# Altium PCB RF-BPF.PcbDoc (part 1 of 3) (continued)
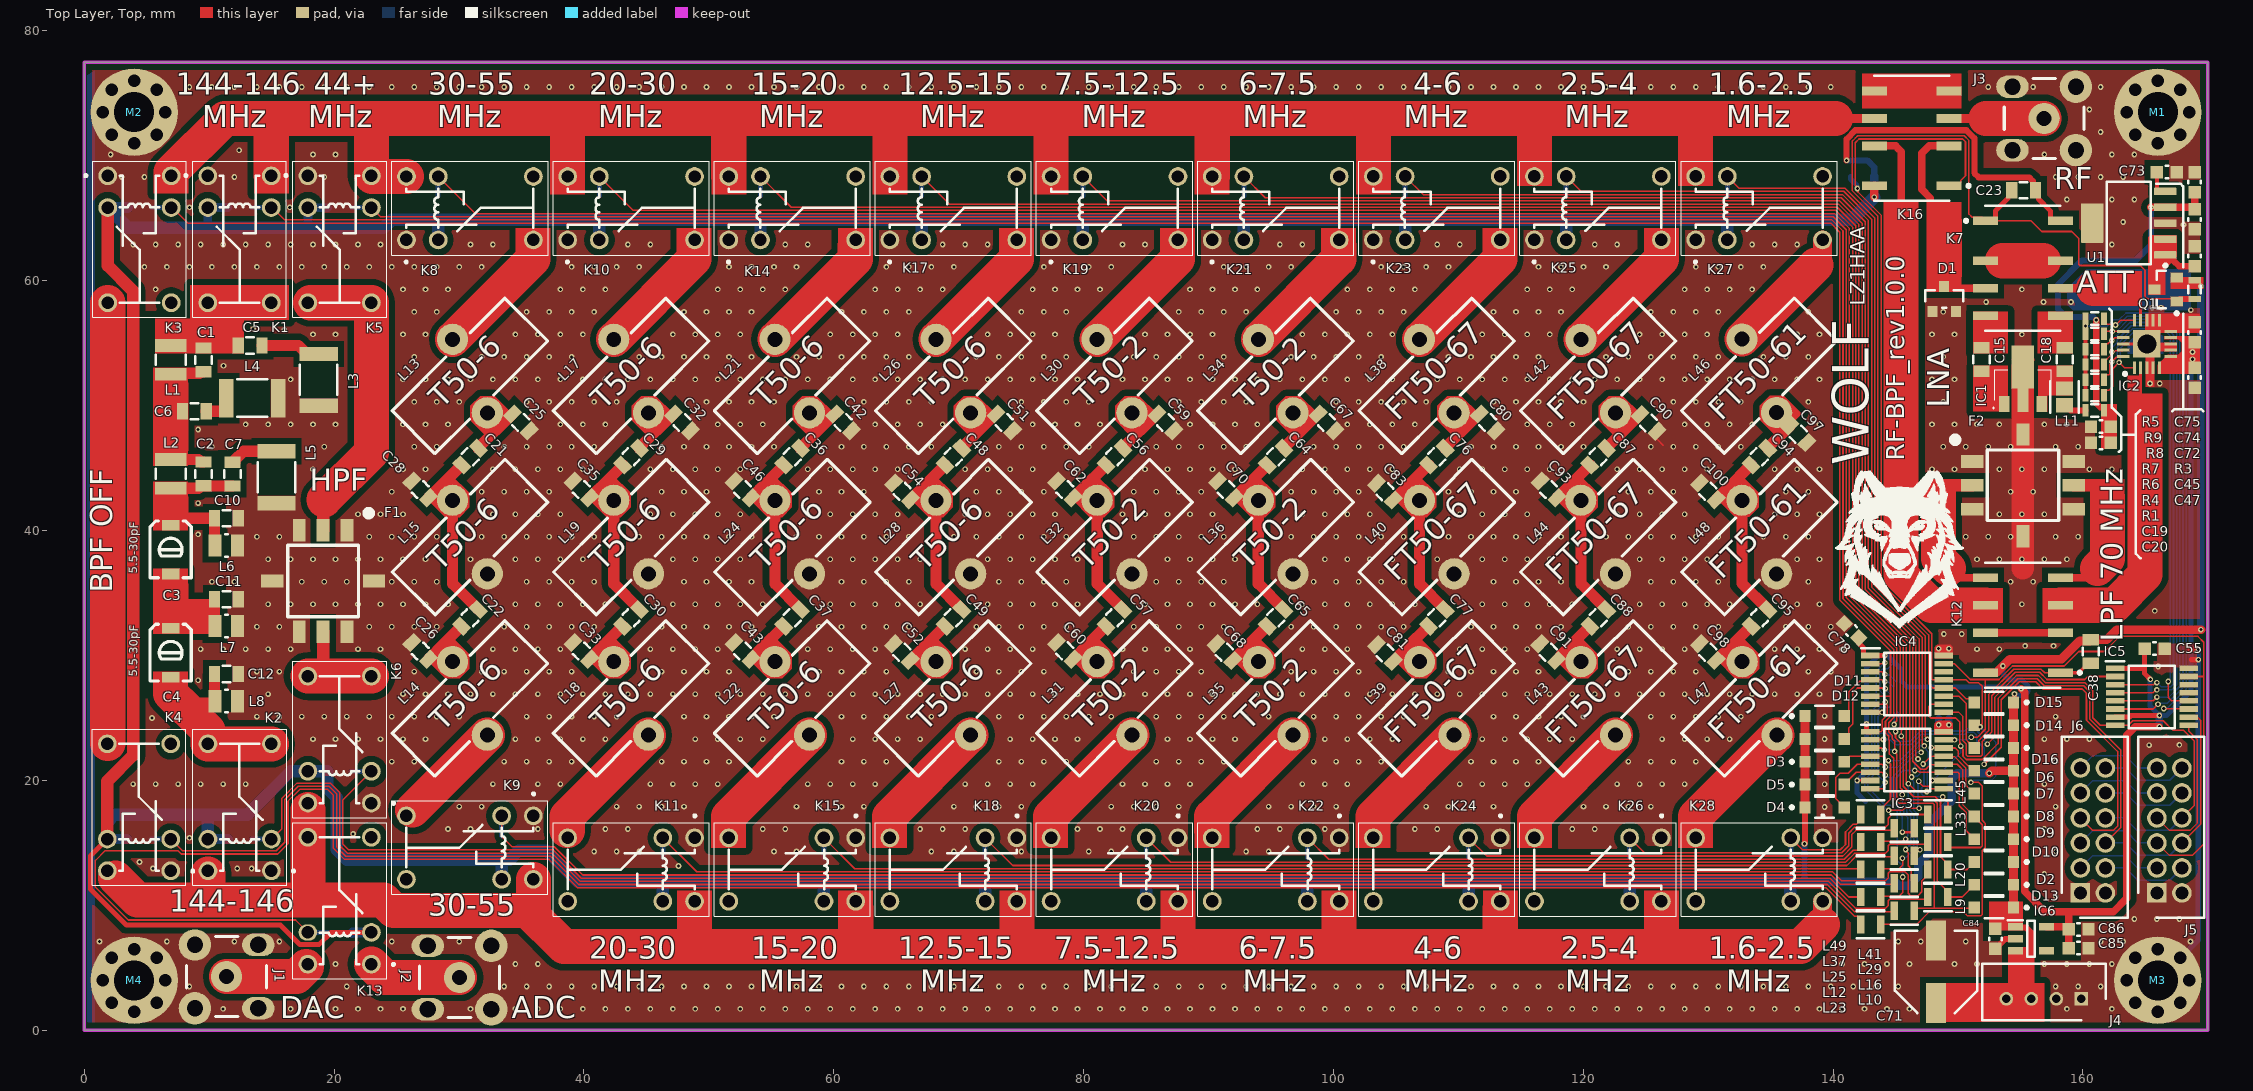
[diagram p0: Top Layer, Top view]
## Components (designator, comment, footprint, x,y, rotation, side; value= is the part's Value field where it differs from the comment) (continued)
L11 "LQM21NNR22K10D" FP-LQM21DN_00-IPC_C 158.525,50.7 r270 top
L12 "CB2012T101K" FP-CB2012-MFG 143,10.675 r180 top
L13 "T50-6" AMIDON_T50_6 30.871,52.385 r45 top
L14 "T50-6" AMIDON_T50_6 30.871,26.575 r45 top
L15 "T50-6" AMIDON_T50_6 30.889,39.48 r225 top
L16 "CB2012T101K" FP-CB2012-MFG 145.7,11.775 r180 top
L17 "T50-6" AMIDON_T50_6 43.771,52.385 r45 top
L18 "T50-6" AMIDON_T50_6 43.771,26.575 r45 top
L19 "T50-6" AMIDON_T50_6 43.789,39.48 r225 top
L20 "CB2012T101K" FP-CB2012-MFG 148.4,12.875 r180 top
L21 "T50-6" AMIDON_T50_6 56.671,52.385 r45 top
L22 "T50-6" AMIDON_T50_6 56.671,26.575 r45 top
L23 "CB2012T101K" FP-CB2012-MFG 143,8.475 r180 top
L24 "T50-6" AMIDON_T50_6 56.689,39.48 r225 top
L25 "CB2012T101K" FP-CB2012-MFG 143,12.875 r180 top
L26 "T50-6" AMIDON_T50_6 69.571,52.385 r45 top
L27 "T50-6" AMIDON_T50_6 69.571,26.575 r45 top
L28 "T50-6" AMIDON_T50_6 69.589,39.48 r225 top
L29 "CB2012T101K" FP-CB2012-MFG 145.7,13.975 r180 top
L30 "T50-2" AMIDON_T50_2 82.471,52.385 r45 top
L31 "T50-2" AMIDON_T50_2 82.471,26.575 r45 top
L32 "T50-2" AMIDON_T50_2 82.489,39.48 r225 top
L33 "CB2012T101K" FP-CB2012-MFG 148.4,15.075 r180 top
L34 "T50-2" AMIDON_T50_2 95.371,52.385 r45 top
L35 "T50-2" AMIDON_T50_2 95.371,26.575 r45 top
L36 "T50-2" AMIDON_T50_2 95.389,39.48 r225 top
L37 "CB2012T101K" FP-CB2012-MFG 143,15.075 r180 top
L38 "FT50-67" AMIDON_FT50_6X 108.271,52.385 r45 top
L39 "FT50-67" AMIDON_FT50_6X 108.271,26.575 r45 top
L40 "FT50-67" AMIDON_FT50_6X 108.289,39.48 r225 top
L41 "CB2012T101K" FP-CB2012-MFG 145.7,16.175 r180 top
L42 "FT50-67" AMIDON_FT50_6X 121.2,52.385 r45 top
L43 "FT50-67" AMIDON_FT50_6X 121.2,26.575 r45 top
L44 "FT50-67" AMIDON_FT50_6X 121.2,39.48 r225 top
L45 "CB2012T101K" FP-CB2012-MFG 148.4,17.275 r180 top
L46 "FT50-61" AMIDON_FT50_6X 134.089,52.403 r45 top
L47 "FT50-61" AMIDON_FT50_6X 134.107,26.575 r45 top
L48 "FT50-61" AMIDON_FT50_6X 134.107,39.48 r225 top
L49 "CB2012T101K" FP-CB2012-MFG 143,17.275 r180 top
M1 "MountHole" MountHole 166,73.5 r270 top locked
M2 "MountHole" MountHole 4,73.5 r270 top locked
M3 "MountHole" MountHole 166,4 r270 top locked
M4 "MountHole" MountHole 4,4 r270 top locked
Q1 "IRLML9301TRPBF" INF-SOT-23-3_V 166.625,59.3 r180 top
R1 "18R" R-0603 160.95,49.625 r0 top
R2 "1k" R-0603 143.114,18.864 r225 bottom
R3 "30k" R-0603 168.95,59.3 r270 top
R4 "1k" R-0603 160.95,50.85 r180 top
R5 "1k" R-0603 160.95,56.975 r180 top
R6 "1k" R-0603 160.95,52.075 r180 top
R7 "1k" R-0603 160.95,53.3 r180 top
R8 "1k" R-0603 160.95,54.525 r180 top
R9 "1k" R-0603 160.95,55.75 r180 top
U1 "TPS79650DCQR" DCQ0006A_L 163.675,64.61 r180 top

## Footprints (in the part's own frame and the unit in brackets; to place one, negate y for a bottom-side part, rotate by r counter-clockwise, add the part's x,y. Pads: shape width x height; smd on the part's side, far side on the other; paste and mask are expansions set on the pad)
3.81X3.43X4.95 [mm]
  rect 1.14x3.05 smd: 1(-2.075,0) 2(2.075,0)
  Top Layer, Top pour cut-out: -1.5,1.525 1.5,1.525 1.5,-1.525 -1.5,-1.525
  silkscreen extent -1.2,-1.5 1.2,1.5, body extent -2.47,-1.91 2.47,1.91, height 3.42
31-5431#1 [mm]
  oval 1.8x2.6 hole 1.3: 1(-2.54,-2.54) 2(2.54,-2.54)
  oval 2.5x2.6 hole 1.3: 3(2.54,2.54)
  round 2.6 hole 1.3: 4(-2.54,2.54)
  round 2.5 hole 1.2: 5(0,0)
  silkscreen extent -3.2,-3.2 3.2,3.2, body extent -3.04,-3.04 3.04,3.04, height 9
31-5431#2 [mm]
  oval 1.8x2.6 hole 1.3: 1(-2.54,-2.54) 2(2.54,-2.54)
  round 2.6 hole 1.3: 3(2.54,2.54) 4(-2.54,2.54)
  round 2.5 hole 1.2: 5(0,0)
  silkscreen extent -3.2,-3.2 3.2,3.2, body extent -3.04,-3.04 3.04,3.04, height 9
AMIDON_FT50_6X [mm]
  round 2.5 hole 1.2: 1(1.1,3.05) 2(-1.1,-3.075)
  silkscreen extent -6.38,-2.42 6.38,2.42, body extent -6.35,-2.41 6.35,2.42, height 12.75
AMIDON_T50_2 [mm]
  round 2.5 hole 1.2: 1(1.1,3.05) 2(-1.1,-3.075)
  silkscreen extent -6.38,-2.42 6.38,2.42, body extent -6.35,-2.41 6.35,2.42, height 12.75
AMIDON_T50_6 [mm]
  round 2.5 hole 1.2: 1(1.1,3.05) 2(-1.1,-3.075)
  silkscreen extent -6.38,-2.42 6.38,2.42, body extent -6.35,-2.41 6.35,2.42, height 12.75
C-0603 [mm] "Surface-Mount Multilayer Chip Capacitor, Body 1.6 x 0.8 mm (L x W)"
  rect 1x1 smd: 1(-0.8,0) 2(0.8,0)
  silkscreen extent -0.1,-0.5 0.1,0.5, body extent -0.8,-0.4 0.8,0.4, height 0.8
C-0805 [mm] "Surface-Mount Multilayer Chip Capacitor, Body 2 x 1.25 mm (L x W)"
  rect 0.9x1.3 smd: 1(-0.95,0) 2(0.95,0)
  Top Layer, Top pour cut-out: -0.5,0.65 0.5,0.65 0.5,-0.65 -0.5,-0.65
  silkscreen extent -0.3,-0.65 0.3,0.65, body extent -1,-0.62 1,0.63, height 0.78
CAP-ADJ-SMD_L4.5-W3.2-L [mm]
  rect 0.85x1.4 smd: 1(1.95,0) 2(-1.95,0)
  Top Layer, Top pour cut-out: -1.525,1.65 1.525,1.65 1.525,-1.65 -1.525,-1.65
  silkscreen extent -2.25,-1.65 2.29,1.65
DCQ0006A_L [mm] "SOT223, 6-Leads, Body 6.55x3.55mm, Pitch 1.27mm, IPC High Density"
  rrect17% 1.8x0.6 smd: 1(-2.925,2.54) 2(-2.925,1.27) 3(-2.925,0) 4(-2.925,-1.27) 5(-2.925,-2.54)
  rrect6% 1.8x3.15 smd: 6(2.925,0)
  silkscreen extent -3.05,-3.3 1.75,3.51, body extent -3.48,-3.25 3.48,3.25, height 1.64
EEE1AA101SP [mm]
  rect 3.2x1.6 smd: 1(-2.5,0) 2(2.5,0)
  silkscreen extent -3.3,-3.3 3.3,3.3, body extent -3.9,-3.4 3.9,3.4, height 5.57
FP-318-08-MFG [mm]
  rect 0.9x0.8 smd paste+0 mask+0: 1(-1,0.95) 2(-1,-0.95) 3(1,0)
  silkscreen extent -0.7,-1.52 0.7,1.52, body extent -1.55,-1.62 1.55,1.62, height 0.25
FP-CB2012-MFG [mm]
  rect 0.6x1.45 smd paste+0 mask+0: 1(-0.8,0) 2(0.8,0)
  silkscreen extent -1.1,-1.12 1.1,1.12, body extent -1.2,-0.82 1.2,0.82, height 0.25
FP-LQM21DN_00-IPC_C [mm]
  rect 1.154x1.356 smd paste+0 mask+0: 1(-0.676,0) 2(0.676,0)
  silkscreen extent -1.25,-1.12 1.25,1.12, body extent -1.35,-0.82 1.35,0.82, height 0.25
FP-SOD123-MFG [mm]
  rect 0.9x0.95 smd paste+0 mask+0: 1(-1.575,0) 2(1.575,0)
  silkscreen extent -2.75,-0.85 0.75,0.85, body extent -2.12,-0.95 2.12,0.95, height 0.25
G5V1DC12#1 [mm]
  round 1.5 hole 1: 1(-5.08,-2.215) 2(-2.54,-2.215) 5(5.08,-2.215) 6(5.08,2.865) 9(-2.54,2.865) 10(-5.08,2.865)
  silkscreen extent -6.25,-4.07 6.25,4.08, body extent -6.15,-3.3 6.15,3.98, height 9.8
G5V1DC12#2 [mm]
  round 1.5 hole 1: 1(-5.08,-2.215) 2(-2.54,-2.215) 5(5.08,-2.215) 6(5.08,2.865) 10(-5.08,2.865)
  oval 1.3x1.5 hole 1: 9(-2.54,2.865)
  silkscreen extent -6.25,-4.07 6.25,4.08, body extent -6.15,-3.3 6.15,3.98, height 9.8
GP731 [mm]
  rect 1.02x1.78 smd: 1(-1.91,-4.065) 2(0,-4.065) 3(1.91,-4.065) 5(1.91,4.065) 6(0,4.065) 7(-1.91,4.065)
  rect 1.78x1.02 smd: 4(4.065,0) 8(-4.065,0)
  silkscreen extent -3.9,-5.67 2.82,2.88, body extent -4.63,-4.63 4.63,4.63, height 2.92
INF-SOT-23-3_V [mm] "SOT23, 3-Leads, Body 3.04x1.4mm, Pitch 0.95mm"
  rect 0.972x0.802 smd: 1(-0.885,0.95) 2(-0.885,-0.95) 3(0.885,0)
  silkscreen extent -1.01,-1.5 0.7,2.03, body extent -1.32,-1.52 1.32,1.52, height 1.12
L-0805 [mm]
  rect 1.02x1.78 smd: 1(-0.9,0) 2(0.9,0)
  Top Layer, Top pour cut-out: -0.4,0.9 0.4,0.9 0.4,-0.9 -0.4,-0.9
  silkscreen extent -0.1,-0.9 0.1,0.9, body extent -1.05,-0.79 1.05,0.79, height 0.88
L-2520 [mm]
  rect 1.02x2.54 smd: 1(-1.15,0) 2(1.15,0)
  Top Layer, Top pour cut-out: -0.65,1.275 0.65,1.275 0.65,-1.275 -0.65,-1.275
  silkscreen extent -0.4,-1.2 0.4,1.2, body extent -1.46,-1.4 1.46,1.4, height 2.02
MountHole [mm]
  round 1 hole 1: 1(-2.5,0) 1(-1.8,1.8) 1(-1.8,-1.8) 1(0,2.5) 1(0,-2.5) 1(1.8,1.8) 1(1.8,-1.8) 1(2.5,0)
  round 7 hole 3.2: 1(0,0)
QFN50P400X400X90-21N-D [mm]
  rect 1x0.25 smd: 1(-1.9,1) 2(-1.9,0.5) 3(-1.9,0) 4(-1.9,-0.5) 5(-1.9,-1) 11(1.9,-1) 12(1.9,-0.5) 13(1.9,0) 14(1.9,0.5) 15(1.9,1)
  rect 0.25x1 smd: 6(-1,-1.9) 7(-0.5,-1.9) 8(0,-1.9) 9(0.5,-1.9) 10(1,-1.9) 16(1,1.9) 17(0.5,1.9) 18(0,1.9) 19(-0.5,1.9) 20(-1,1.9)
  rect 2.2x2.2 smd: 21(0,0)
  silkscreen extent -2.52,1.62 -2.28,1.87, body extent -2.05,-2.05 2.05,2.05, height 0.9
R-0603 [mm] "Thin Film, Rectangular Resisitor Chip, Body 1.6 x 0.9 mm (L x W)"
  rect 0.5x1 smd: 1(-0.75,0) 2(0.75,0)
  Top Layer, Top pour cut-out: -0.5,0.5 0.5,0.5 0.5,-0.5 -0.5,-0.5
  silkscreen extent -0.3,-0.5 0.3,0.5, body extent -0.8,-0.4 0.8,0.4, height 0.45
SHDR4W50P0X200_1X4_990X450X600P [mm]
  rect 1.1x1.1 hole 0.7: 1(0,0)
  round 1.1 hole 0.7: 2(-2,0) 3(-4,0) 4(-6,0)
  silkscreen extent -7.95,-1.7 1.95,2.8, body extent -7.95,-2.25 1.95,2.25, height 6
SHDR12W60P200_2X6_1400X500X690P [mm]
  rect 1.575x1.575 hole 1.05: 1(0,0)
  round 1.575 hole 1.05: 2(0,2) 3(-2,0) 4(-2,2) 5(-4,0) 6(-4,2) 7(-6,0) 8(-6,2) 9(-8,0) 10(-8,2) 11(-10,0) 12(-10,2)
  silkscreen extent -12.5,-1.5 2,3.8, body extent -12,-1.5 2,3.5, height 6.9
SOP65P640X120-16N [mm]
  rect 1.48x0.45 smd: 1(-2.935,2.275) 2(-2.935,1.625) 3(-2.935,0.975) 4(-2.935,0.325) 5(-2.935,-0.325) 6(-2.935,-0.975) 7(-2.935,-1.625) 8(-2.935,-2.275) 9(2.935,-2.275) 10(2.935,-1.625) 11(2.935,-0.975) 12(2.935,-0.325) 13(2.935,0.325) 14(2.935,0.975) 15(2.935,1.625) 16(2.935,2.275)
  silkscreen extent -3.67,-2.5 1.85,2.85, body extent -3.2,-2.5 3.2,2.5, height 1.2
SOT95P280X145-5N [mm]
  rect 1.2x0.6 smd: 1(-1.25,0.95) 2(-1.25,0) 3(-1.25,-0.95) 4(1.25,-0.95) 5(1.25,0.95)
  silkscreen extent -1.85,-1.45 0.3,1.5, body extent -1.4,-1.45 1.4,1.45, height 1.2
SPF5189Z [mm]
  rect 0.86x1.27 smd: 1(-1.5,-1.478) 3(1.5,-1.478)
  rect 0.86x1.85 smd: 2(0,-1.188)
  rect 1.8x3.48 smd: 4(0,1.477)
  silkscreen extent -2.4,-1.85 2.25,1.25, body extent -2.25,-1.25 2.25,1.25, height 1.6
TECO-2-1462037-3_V [mm] "SMT, 8-Leads, Body 10x6mm"
  rect 0.7x2 smd: 1(-3.8,-3) 2(-0.6,-3) 3(1.6,-3) 4(3.8,-3) 5(3.8,3) 6(1.6,3) 7(-0.6,3) 8(-3.8,3)
  silkscreen extent -5,-4.67 5,3, body extent -5,-3 5,3, height 5.65

## Part data
C1 C2 C3 C4 C5 C6 C7 C8 C9 C10 C11 C12 C13 C14 C15 C16 C17 C18 C19 C20 C21 C22 C23 C24 C25 C26 C27 C28 C29 C30 C31 C32 C33 C34 C35 C36 C37 C38 C39 C40 C41 C42 C43 C44 C45 C46 C47 C48 C49 C50 C51 C52 C53 C54 C55 C56 C57 C58 C59 C60 C61 C62 C63 C64 C65 C66 C67 C68 C69 C70 C72 C73 C74 C75 C76 C77 C78 C79 C80 C81 C82 C83 C84 C85 C86 C87 C88 C89 C90 C91 C92 C93 C94 C95 C96 C97 C98 C99 C100: library part "C semi", "Ceramic Multilayer Capacitor", Manufacturer=Yageo/Phycomp, Manufacturer P/N=CC0603JRNPO9BN102, Tolerance=±10%, numsch=011, Parameters="1nF, NP0, 50V, ±5%", TypeNum=155
C71: "Capacitor Polarised", Manufacturer_Name=Panasonic, Datasheet Link=http://industrial.panasonic.com/cdbs/www-data/pdf/RDE0000/ABA0000C1145.pdf, Height=7.8mm, Manufacturer_Part_Number=EEE1EA220SP
D1: library part CMP-07163-000036-1, "DIODE ARRAY 100V 215MA SOT23-3", Capacitance=1.5pF, Case/Package=SOT-23, Current Rating=200mA, Forward Current=150mA, Forward Voltage=1.25V, Max Forward Surge Current (Ifsm)=500mA, Max Operating Temperature=150°C, Max Repetitive Reverse Voltage (Vrrm)=70V, Min Operating Temperature=-65°C, Peak Non-Repetitive Surge Current=2A, Peak Reverse Current=2.5uA, Height=0.94mm, Lead Free="Lead Free", Length=2.9mm, Mount="Surface Mount", Number of Pins=3, Packaging="Tape and Reel", REACH SVHC="No SVHC", Reverse Recovery Time=6ns, Voltage Rating (DC)=70V, Width=1.3mm
D2 D3 D4 D5 D6 D7 D8 D9 D10 D11 D12 D13 D14 D15 D16: library part CMP-12791-000005-1, "DIODE GEN PURP 100V 150MA SOD123", Capacitance=2pF, Forward Current=300mA, Manufacturer="Diodes Inc.", Max Junction Temp=+150°C, Max Repetitive Reverse Voltage=100V, Max Surge Forward Current=1A, Package=SOD123, Peak Reverse Current=1uA, Temperature="-65°C to +150°C", Temperature Range Low=-65°C, Automotive=No, Category=Diode, ComponentLink2Description=Datasheet, ComponentLink2URL=https://upverter.com/datasheet/628e7d6fee5901eee6eef4567d1c3569f2cd3cde.pdf, Device Class L1="Discrete Semiconductors", Device Class L2=Diodes, Device Class L3="Rectifier Diodes", Digikey Description="DIODE GEN PURP 100V 150MA SOD123", Footprint Url=https://www.diodes.com/assets/Package-Files/SOD123.pdf, Height=1.45mm, Lead Free=Yes, Manufacturer Part Number=1N4148W-13-F, Mouser Description="1N4148W Series 2 A 100 V 400 mW Surface Mount Fast Switching Diode - SOD-123", Octopart=https://octopart.com/1n4148w-13-f-diodes+inc.-2359612, Reverse Voltage=100V, RoHS=TRUE, Standoff Height=0mm, Temperature Range High=+150°C
IC1: library part SPF5189Z, "Integrated Circuit", Manufacturer_Name=RFMD, Datasheet Link=https://componentsearchengine.com/Datasheets/2/SPF5189Z.pdf, Height=1.5mm, Manufacturer_Part_Number=SPF5189Z
IC2: "Integrated Circuit", Manufacturer_Name="Peregrine Semiconductor", Datasheet Link=https://www.psemi.com/pdf/datasheets/pe4312ds.pdf, Height=0.9mm, Manufacturer_Part_Number=PE4312C-Z
IC3 IC4 IC5: "Integrated Circuit", Manufacturer_Name=STMicroelectronics, Mouser Part Number=511-STPIC6C595T, Arrow Part Number=STPIC6C595TTR, Arrow Price/Stock=https://www.arrow.com/en/products/stpic6c595ttr/stmicroelectronics?region=nac, Datasheet Link=http://www.st.com/st-web-ui/static/active/en/resource/technical/document/datasheet/CD00020664.pdf, Height=1.2mm, Manufacturer_Part_Number=STPIC6C595TTR, Mouser Price/Stock=https://www.mouser.co.uk/ProductDetail/STMicroelectronics/STPIC6C595TTR?qs=Pgvhs884FskRYYZkj3y%2FSg%3D%3D
IC6: "Integrated Circuit", Manufacturer_Name="Texas Instruments", Mouser Part Number=595-TPS70933DBVR, Arrow Part Number=TPS70933DBVR, Arrow Price/Stock=https://www.arrow.com/en/products/tps70933dbvr/texas-instruments?region=nac, Datasheet Link=http://www.ti.com/lit/gpn/tps709, Height=1.45mm, Manufacturer_Part_Number=TPS70933DBVR, Mouser Price/Stock=https://www.mouser.co.uk/ProductDetail/Texas-Instruments/TPS70933DBVR?qs=Z9twEOuL%252B%2FJOaGO60BtvLA%3D%3D
J1 J2 J3: library part 31-5431, "SMA"
J4: "Connector", Arrow Part Number=B4B-PH-K-S(LF)(SN), Manufacturer_Name="JST (JAPAN SOLDERLESS TERMINALS)", Arrow Price/Stock=https://www.arrow.com/en/products/b4b-ph-k-s-lf-sn/jst-manufacturing, Datasheet Link=https://datasheet.lcsc.com/szlcsc/JST-Sales-America-B4B-PH-K-S-LF-SN_C131334.pdf, Height=6mm, Manufacturer_Part_Number=B4B-PH-K-S(LF)(SN)
J5 J6: "Connector", Arrow Part Number=DF11-12DP-2DSA(24), Manufacturer_Name=Hirose, Mouser Part Number=798-DF11-12DP-2DSA24, Arrow Price/Stock=https://www.arrow.com/en/products/df11-12dp-2dsa-24/hirose-electric, Datasheet Link=https://datasheet.datasheetarchive.com/originals/distributors/SFDatasheet-7/sf-000141225.pdf, Height=6.9mm, Manufacturer_Part_Number=DF11-12DP-2DSA(24), Mouser Price/Stock=https://www.mouser.co.uk/ProductDetail/Hirose-Connector/DF11-12DP-2DSA24?qs=zOgoZG1CgI9hGIQfeQgy6Q%3D%3D
K1 K2 K3 K4 K5 K6 K8 K9 K10 K11 K13 K14 K15 K17 K18 K19 K20 K21 K22 K23 K24 K25 K26 K27 K28: "Relay or Contactor", Manufacturer_Name="Omron Electronics", Mouser Part Number=653-G5V-1-DC12, Arrow Part Number=G5V-1-DC12, Arrow Price/Stock=https://www.arrow.com/en/products/g5v-1-dc12/omron?region=nac, Datasheet Link=https://componentsearchengine.com/Datasheets/1/G5V-1-DC12.pdf, Height=10mm, Manufacturer_Part_Number=G5V-1-DC12, Mouser Price/Stock=https://www.mouser.co.uk/ProductDetail/Omron-Electronics/G5V-1-DC12?qs=nNiD76Ca0%252BuMuQOpoevaxA%3D%3D
K7 K12 K16: library part CMP-2000-05409-1, "Signal Relay, 2 A, 12 VDC, -40 to 85 degC, 8-Pin SMD, RoHS, Tape and Reel", Coil Current=11.67mA, Coil Resistance=1.029kohm, Coil Voltage DC=12V, Contact Current Rating=2A, Dropout Volt=1.2VDC, Manufacturer="TE Connectivity", Maximum Power Rating=60W/62.5VA, Operating Temp Range=-40Cto85C, Pick-up Voltage (Max)=9VDC, Voltage Rating (VAC)=250V, Voltage Rating (VDC)=220, Coil Suppression Diode=No, Contact Arrangement=DPDT, Contact Form=2FormC, Contact Material=PalladiumRuthenium/Gold, Datasheet URL=http://www.te.com/commerce/DocumentDelivery/DDEController?Action=srchrtrv&DocNm=108-98001&DocType=SS&DocLang=EN, Datasheet Version="Rev. 0116, 01/2016", LED Indicator=No, Manufacturer URL=http://www.te.com/, Mounting Style=SurfaceMount, Operate Time=1ms, Packaging=TapeandReel, Pin Count=8, Product Depth (mm)=7.5mm, Product Height (mm)=5.65mm, Product Length (mm)=10mm, Push To Test Button=No, Relay Construction=Non-Latching, Seal=Unsealed, Termination Style=GullWing, Type=SignalRelay
L9 L10 L12 L16 L20 L23 L25 L29 L33 L37 L41 L45 L49: library part CMP-14484-000220-1, "SMD Inductors 100uH ±10% 0.13A 9.1Ω 0805", Case Code (Imperial)=0805, Case Code (Metric)=2012, Current Rating=130mA, DC Resistance (DCR)=9.1R, Inductance=100uH, Inductance Tolerance=10%, Max Operating Temperature=105°C, Min Operating Temperature=-40°C, Package Quantity=3000, Resistor Type=Wirewound, Saturation Current=60mA, Self Resonant Frequency=8MHz, Test Frequency=796kHz, Case/Package=0805, Core Material=Ferrite, Depth=1.45mm, Halogen Free="Halogen Free", Height=0.9mm, Height - Seated (Max)=0.057inch, Lead Free="Lead Free", Length=0.079inch, Max DC Current=130mA, Mount="Surface Mount", Number of Pins=2, Packaging="Tape and Reel", Radiation Hardening=No, RoHS Compliant=Yes, Series=CB, Shielding=Unshielded, Termination=SMD/SMT, Tolerance=10%, Width=0.049inch
L11: library part CMP-06042-016438-1, "Multilayer Type Inductor for General Circuits, 0805 (2012), 0.22μH, 10%, 0.38Ω, 250mA", Case Code (Imperial)=0805, Case Code (Metric)=2012, Current Rating=250mA, DC Resistance (DCR)=380mR, Inductance=220nH, Inductance Tolerance=10%, Max Operating Temperature=85°C, Min Operating Temperature=-40°C, Package Quantity=4000, Self Resonant Frequency=220MHz, Test Frequency=25MHz, Case/Package=0805, Core Material=Ferrite, DC Current=250mA, Depth=1.45mm, Height=0.85mm, Height - Seated (Max)=0.041inch, Lead Free="Lead Free", Length=2mm, Max DC Current=250mA, Military Standard=Not, Mount="Surface Mount", Number of Pins=2, Packaging="Tape and Reel", Q Factor=20, Radiation Hardening=No, Rated Current-Max=250mA, REACH SVHC="No SVHC", RoHS Compliant=Yes, Series=LQM21N, Shielding=Shielded, Termination=SMD/SMT, Tolerance=10%, Width=1.25mm
L13 L14 L15 L17 L18 L19 L21 L22 L24 L26 L27 L28 L30 L31 L32 L34 L35 L36 L38 L39 L40 L42 L43 L44 L46 L47 L48: library part Amidon
Q1: library part CMP-2000-06487-1, "HEXFET(R) Power MOSFET, 3.6 A, 30 V, -55 to 150 degC, 3-Pin SOT-23, RoHS, Tape and Reel", Current - Continuous Drain (Id) @ 25°C=3.6A(Ta), Drain to Source Voltage (Vdss)=30V, Input Capacitance (Ciss) @ Vds=388pF@25V, Manufacturer=InfineonTechnologies, Operating Temperature=-55°C~150°C(TJ), Package / Case=TO-236-3,SC-59,SOT-23-3, Package Description="3-Pin Small Outline Transistor, Body 2.92 x 1.3 mm, Pitch 0.95 mm", Package Reference=SOT-23-3, Power - Max=1.3W, Supplier Device Package=Micro3™/SOT-23, Category=DiscreteSemiconductorProducts, Datasheet URL=http://www.infineon.com/dgdl/irlml9301pbf.pdf?fileId=5546d462533600a401535668e5e42640, Datasheet Version=02/2012, Family=Transistors-FETs,MOSFETs-Single, FET Feature=Standard, FET Type=MOSFETP-Channel,MetalOxide, Gate Charge (Qg) @ Vgs=4.8nC@4.5V, Manufacturer URL=http://www.infineon.com/, Mounting Technology=SurfaceMount, Mounting Type=SurfaceMount, Packaging=Tape&Reel(TR), Part Status=Active, Rds On (Max) @ Id, Vgs=64mOhm@3.6A,10V, Series=HEXFET®, Vgs(th) (Max) @ Id=2.4V@10µA
R1 R2 R3 R4 R5 R6 R7 R8 R9: library part "RES semi", "Chip Resistor", Manufacturer=Yageo/Phycomp, Manufacturer P/N=RC0603FR-0749R9L, numsch=021, Parameters="49.9R, RC, 0.1W, ±1%, TCR ±100ppm", TypeNum=212
U1: library part CMP-0395-00332-2, "Single Output High PSRR LDO, 1 A, Fixed 5 V Output, 2.7 to 5.5 V Input, 6-pin SOT-223 (DCQ), -40 to 125 degC, Green (RoHS & no Sb/Br)", Manufacturer="Texas Instruments", Accuracy(%)=2, ComponentLink1Description="Manufacturer URL", ComponentLink1URL=http://www.ti.com/, ComponentLink2Description=Datasheet, ComponentLink2URL=http://www.ti.com/general/docs/lit/getliterature.tsp?genericPartNumber=TPS79650&fileType=pdf, ComponentLink3Description="Package Specification", ComponentLink3URL=http://www.ti.com/litv/pdf/mpds098c, DatasheetVersion=SLVS351N, Eco-Plan="Green (RoHS & no Sb/Br)", Fixed Output Options(V)=5, Iout(Max)(A)=1, Iq(Typ)(mA)=0.26, Mounting Technology="Surface Mount", PackageDescription="6-Pin Plastic Small Outline, Body 3.5 x 6.5 mm, Pitch 1.27 mm", PackageReference=DCQ0006A, PackageVersion=4202109/D, PartNumber=TPS79650DCQR, SubFamily="Single Channel LDO", Vdo(Typ)(mV)=200, Vin(Max)(V)=5.5, Vin(Min)(V)=2.7, Vout Adj(Max)(V)=5, Vout Adj(Min)(V)=5

## Free pads (board coordinates)
  round 1.5 hole 1.5: ""(165.125,54.95)

## Via types
v1: diameter 0.45, hole 0.25, Top Layer, Top to Bottom Layer, Bottom, tented both sides, 1611 vias

## Nets (pads, with @x,y where several pads share a name; then routed paths per layer and width w, separated by ;. In a path a pad name is that pad's centre, name@x,y a point inside that pad or via, vN(x,y) a via of type N, cw(c..) or ccw(c..) an arc to the next point about the centre after c; other vN are vias at no path point)
+3.3V: C45.1 C47.1 C55.1 C63.1 C78.1 C85.2 C86.2 IC2.5 IC2.6 IC2.9 IC3.1 IC3.7 IC4.1 IC4.7 IC5.1 IC5.7 IC6.5 R2.2 R4.2 R5.2 R6.2 R7.2 R8.2 R9.2 | length 149.7
  Top Layer, Top w0.127: IC4.1@142.475,29.979 142.969,29.979 IC4.1@142.99,30 ; IC3.1@142.99,23.9 142.993,23.903 143.846,23.903 143.942,23.999 143.942,24.842 144.341,25.241 144.341,26.045 v1@144.176,26.209 ; IC4.7@142.99,26.1 143.941,26.1 144.05,26.209 v1@144.176,26.209 ; v1(144.176,26.281) v1@144.176,26.209
  Top Layer, Top w0.2: v1(141.925,20) IC3.7@142.99,20
  Top Layer, Top w0.254: IC2.6@167.025,53.95 168.65,53.95
  Top Layer, Top w0.3: R4.2@160.2,50.85 R6.2@160.2,52.075 R7.2@160.2,53.3 R8.2@160.2,54.525 R9.2@160.2,55.75 v1(160.2,56.375) R5.2@160.2,56.975 R5.2@160.2,57.225
  Top Layer, Top w0.4: C78.1@142.041,31.434 142.041,31.01 142.45,30.601 142.45,30.025 142.475,30 IC4.1@142.99,30 v1(144.15,30) ; v1(142.676,24.525) 142.676,23.925 142.702,23.9 IC3.1@142.99,23.9 ; IC5.7@162.59,25.075 163.729,25.075 163.86,25.206 v1(166.125,25.206) ; IC5.1@162.59,28.975 164.95,28.975 ; C55.1@164.95,30.55 164.95,28.975 ; v1(165.406,28.091) 164.95,28.547 164.95,28.975
  Top Layer, Top w0.6: v1(155.053,27.354) 155.327,27.08 155.327,11.123 156.95,9.5 158.85,9.5 ; IC6.5@157.1,8.275 158.65,8.275 C86.2@158.85,8.075 ; C85.2@158.85,6.575 C86.2@158.85,8.075 ; v1(166.125,24.3) 164.2,24.3 163.523,23.623 163.523,10.573 162.45,9.5 158.85,9.5 ; C86.2@158.85,8.075 158.85,9.5
  Bottom Layer, Bottom w0.127: v1(144.15,30) 144.16,29.99 144.179,29.971 144.383,29.971 144.454,29.971 144.575,29.85 144.575,29.779 ; v1(144.176,26.281) 144.176,26.761 143.727,27.21 143.727,28.675 144.002,28.95 144.375,28.95 144.889,29.464 ; v1(160.2,56.375) 161.941,56.375 162.443,56.878 162.9,56.878 163.446,57.424 167.306,57.424 168.524,56.206 168.524,54.637 168.775,54.386 v1(168.775,54.3)
  Bottom Layer, Bottom w0.4: R2.2@142.584,18.334 141.925,18.993 v1(141.925,20) 142.676,20.752 v1(142.676,24.525) 142.676,29.044 143.623,29.99 144.14,29.99 v1(144.15,30) ; v1@144.16,29.99 144.363,29.99 144.383,29.971 144.575,29.779 144.889,29.464 145.49,28.863 145.49,27.935 145.925,27.5 154.893,27.5 155.039,27.354 v1(155.053,27.354) ; v1(165.406,28.091) 165.406,28.077 165.373,28.044 165.373,25.958 v1(166.125,25.206) 166.706,25.206 168.66,27.16 168.66,53.597 168.775,53.711 v1(168.775,53.725) v1(168.775,54.3)
  Bottom Layer, Bottom w0.6: v1(166.125,24.3) v1(166.125,25.206)
+5V: C19.2 C20.2 C74.2 C75.2 R1.2 U1.4 | length 32.5
  Top Layer, Top w0.5: v1(161.072,56.865) 161.072,50.195 161.392,49.875 161.7,49.875 161.7,48.875 C19.2@162.25,48.325 C20.2@162.25,47.025
  Top Layer, Top w0.6: v1(165.45,65.875) 165.455,65.88 168.039,65.88 168.044,65.875 168.8,65.875 C74.2@168.95,65.725 ; C74.2@168.9,65.875 168.95,65.925 C75.2@168.95,67.1
  Bottom Layer, Bottom w0.5: v1(161.072,56.865) 160.837,57.1 158.65,57.1 158,57.75 158,59.7 159.925,61.625 164.212,61.625 165.45,62.863 v1(165.45,65.875)
+12V: C8.2 C9.2 C13.2 C14.2 C16.2 C17.2 C23.2 C24.2 C27.2 C31.2 C34.2 C38.2 C39.2 C40.2 C41.2 C44.2 C50.2 C53.2 C58.2 C61.2 C66.2 C69.2 C71.1 C79.2 C82.2 C84.2 C89.2 C92.2 C96.2 C99.2 D2.1 D3.1 D4.1 D5.1 D6.1 D7.1 D8.1 D9.1 D10.1 D11.1 D12.1 D13.1 D14.1 D15.1 D16.1 IC6.1 IC6.3 J4.3 J4.4 K1.2 K2.9 K3.2 K4.9 K5.2 K6.9 K7.8 K8.2 K9.9 K10.2 K11.9 K12.8 K13.2 K14.2 K15.9 K16.8 K17.2 K18.9 K19.2 K20.9 K21.2 K22.9 K23.2 K24.9 K25.2 K26.9 K27.2 K28.9 Q1.2 R3.1 | length 560.2
  Top Layer, Top w0.4: K4.9@1.85,15.31 0.51,13.969 0.51,11.299 3.372,8.437 15.7,8.437 17.279,6.858 18.783,6.858 19.76,7.835 K13.2@22.99,7.835 ; D15.1@154.45,26.25 154.515,26.315 154.515,26.922 v1(154.525,26.932) ; C23.2@156.2,67.25 156.45,67 156.45,66.55 157.4,65.6 157.4,64.95 157.55,64.8 K7.8@158.2,64.8
  Top Layer, Top w0.5: v1(137.711,14.936) 137.75,14.975 D4.1@137.75,17.85 ; v1(141.085,69.641) 141.085,71.344 141.785,72.044 150.678,72.044 151.315,71.407 151.315,68.625 151.663,68.277 155.707,68.277 156,67.984 156,67.45 C23.2@156.2,67.25 ; IC6.1@154.6,8.275 154.65,8.225 155.46,8.225 155.875,7.81 J4.3@155.875,2.525 ; Q1.2@167.51,60.25 167.595,60.25 167.795,60.05 R3.1@168.95,60.05
  Top Layer, Top w0.7: D11.1@137.7,25.125 D11.1@137.7,25.15 ; D4.1@137.75,17.85 D5.1@137.75,19.675 D3.1@137.75,21.5 D12.1@137.75,23.325 D11.1@137.75,25.15 ; v1(143.3,66.7) K16.8@143.3,67.6 ; K12.8@152.2,28.625 153.061,28.625 154.142,29.706 158.279,29.706 159.748,31.175 160.525,31.175 C38.2@160.625,31.275 161.908,31.275 162.708,32.075 v1(169.45,32.075) ; v1(152.5,20.575) 152.7,20.775 D6.1@154.45,20.775 ; D13.1@154.45,9.825 D2.1@154.45,11.65 D6.1@154.45,20.775 ; D15.1@154.45,26.25 D6.1@154.45,20.775
  Top Layer, Top w1: K4.9@1.85,15.31 1.85,19.95 3.919,22.019 3.919,59.181 1.885,61.215 K3.2@1.885,65.865
  Bottom Layer, Bottom w0.4: v1(153.6,29.164) 153.61,29.155 153.61,28.542 154.125,28.027 155.16,28.027 155.605,27.582 155.605,27.125 155.282,26.802 154.669,26.802 154.539,26.932 v1(154.525,26.932)
  Bottom Layer, Bottom w0.5: C99.2@136.575,11.9 C99.2@136.6,11.9 C99.2@136.8,11.9 ; 137.711,11.9 v1(137.711,14.936) ; v1(141.085,69.641) 142.759,69.641 143.3,69.1 C40.2@143.3,68.35
  Bottom Layer, Bottom w0.6: v1(169.45,32.075) v1(169.45,59.575)
  Bottom Layer, Bottom w0.7: 9.875,64.25 9.898,64.273 K1.2@9.898,65.865 9.902,65.87 11.47,65.87 C8.2@11.475,65.875 ; 17.9,64.25 17.91,64.26 K5.2@17.91,65.865 17.918,65.857 19.493,65.857 C16.2@19.5,65.85 ; C99.2@136.8,11.9 137.711,11.9 144.957,11.9 145.284,11.573 146.088,11.573 146.825,12.31 146.825,13.3 147.675,14.15 147.675,16.55 149.5,18.375 149.5,20.165 149.91,20.575 v1(152.5,20.575) ; v1(143.3,66.7) C40.2@143.3,68.35
  Bottom Layer, Bottom w0.8: K4.9@1.855,15.305 C14.2@3.445,15.305 ; K2.9@9.915,15.305 C9.2@11.495,15.305 ; C39.2@21.45,7.8 21.468,7.818 22.972,7.818 K13.2@22.99,7.835
  Bottom Layer, Bottom w0.9: K3.2@1.885,65.865 C13.2@3.475,65.865
  Bottom Layer, Bottom w1: K4.9@1.855,15.305 K4.9@1.85,15.31 1.85,16.689 2.436,17.275 9.9,17.275 ; K3.2@1.885,65.865 3.5,64.25 9.875,64.25 17.9,64.25 24,64.25 24.625,64.875 C24.2@28.34,64.875 ; K2.9@9.915,15.305 K2.9@9.91,15.31 9.91,17.265 9.9,17.275 ; C17.2@19.465,20.735 K6.9@17.91,20.735 16.535,20.735 13.075,17.275 9.9,17.275 ; C17.2@19.475,20.725 19.475,19.375 20.213,18.637 20.213,14.462 21.025,13.65 C27.2@33.425,13.65 33.42,13.645 33.42,12.09 K9.9@33.415,12.085 K9.9@33.55,12.085 ; K8.2@28.34,63.27 C24.2@28.34,64.875 ; C27.2@33.575,13.65 34.05,13.65 34.775,14.375 37.025,14.375 39.5,11.9 C34.2@46.32,11.9 ; K10.2@41.24,63.27 C31.2@41.24,64.875 ; K11.9@46.32,10.324 C34.2@46.32,11.9 ; K14.2@54.14,63.27 C41.2@54.14,64.875 ; K15.9@59.22,10.324 C44.2@59.22,11.9 ; K17.2@67.04,63.27 C50.2@67.04,64.875 ; K18.9@72.12,10.324 C53.2@72.12,11.9 ; K19.2@79.94,63.27 C58.2@79.94,64.875 ; K20.9@85.02,10.324 C61.2@85.02,11.9 ; K21.2@92.84,63.27 C66.2@92.84,64.875 ; K22.9@97.92,10.324 C69.2@97.92,11.9 ; K23.2@105.74,63.274 C79.2@105.74,64.875 ; K24.9@110.82,10.324 C82.2@110.82,11.9 ; K25.2@118.635,63.274 C89.2@118.635,64.875 ; K26.9@123.72,10.324 C92.2@123.72,11.9 ; K27.2@131.54,63.274 131.532,63.282 131.532,64.868 C96.2@131.525,64.875 ; K28.9@136.62,10.324 136.575,10.369 136.575,11.9 C92.2@123.72,11.9 ; v1(143.3,66.7) 141.475,64.875 C96.2@131.525,64.875 ; C24.2@28.34,64.875 C31.2@41.24,64.875 ; C31.2@41.24,64.875 C41.2@54.14,64.875 ; C34.2@46.32,11.9 C44.2@59.22,11.9 ; C41.2@54.14,64.875 C50.2@67.04,64.875 ; C44.2@59.22,11.9 C53.2@72.12,11.9 ; C50.2@67.04,64.875 C58.2@79.94,64.875 ; C53.2@72.12,11.9 C61.2@85.02,11.9 ; C58.2@79.94,64.875 C66.2@92.84,64.875 ; C61.2@85.02,11.9 C69.2@97.92,11.9 ; C66.2@92.84,64.875 C79.2@105.74,64.875 ; C69.2@97.92,11.9 C82.2@110.82,11.9 ; C79.2@105.74,64.875 C89.2@118.635,64.875 ; C82.2@110.82,11.9 C92.2@123.72,11.9 ; C89.2@118.635,64.875 C96.2@131.525,64.875
  Bottom Layer, Bottom w1.1: J4.4@153.875,2.525 J4.3@155.875,2.525
ADC: J2.5 K13.1 | length 7.5
  Top Layer, Top w2.814: K13.1@22.99,5.295 24.06,4.225 J2.5@30.05,4.225
ATT_0.5: IC2.20 IC5.3 R6.1 | length 42.6
  Top Layer, Top w0.127: R6.1@161.7,52.075 161.7,52.288 161.887,52.474 162.066,52.474 162.141,52.549 162.141,53.289 162.317,53.466 162.317,53.533 162.673,53.888 163.164,53.888 IC2.20@163.225,53.95 ; IC5.3@162.59,27.675 165.675,27.675 165.838,27.838 v1(165.925,27.838)
  Bottom Layer, Bottom w0.127: v1(162.325,53.525) 162.741,53.941 162.741,54.694 162.995,54.948 162.995,55.176 163.972,56.154 166.78,56.154 167.254,55.68 167.254,27.743 167.015,27.504 166.259,27.504 v1(165.925,27.838)
ATT_1: IC2.19 IC5.4 R7.1 | length 42.1
  Top Layer, Top w0.127: R7.1@161.7,53.3 161.7,53.55 161.887,53.737 161.937,53.737 162.617,54.417 163.192,54.417 IC2.19@163.225,54.45 ; IC5.4@162.59,27.025 165.612,27.025 165.838,27.25 v1(165.925,27.25)
  Bottom Layer, Bottom w0.127: v1(162.325,54.3) 162.325,54.637 162.741,55.053 162.741,55.281 163.867,56.408 166.885,56.408 167.508,55.785 167.508,27.638 167.12,27.25 v1(165.925,27.25)
ATT_2: IC2.17 IC5.5 R8.1 | length 42.4
  Top Layer, Top w0.127: R8.1@161.7,54.525 161.7,54.775 161.887,54.962 162.001,54.962 162.264,55.225 v1(162.325,55.225) 162.325,55.226 162.549,55.45 IC2.17@163.225,55.45 ; IC5.5@162.59,26.375 165.627,26.375 v1(165.925,26.673)
  Bottom Layer, Bottom w0.127: v1(162.325,55.225) 163.762,56.662 166.991,56.662 167.762,55.891 167.762,27.533 166.903,26.673 v1(165.925,26.673)
ATT_4: IC2.16 IC5.6 R9.1 | length 42.8
  Top Layer, Top w0.127: R9.1@161.7,55.75 161.7,55.764 161.887,55.95 v1(162.35,55.95) IC2.16@163.225,55.95 ; IC5.6@162.59,25.725 165.632,25.725 v1(166.009,26.103) v1@166.059,26.153
  Bottom Layer, Bottom w0.127: v1(162.35,55.95) 162.691,55.95 163.657,56.916 167.096,56.916 168.016,55.996 168.016,27.427 166.762,26.173 166.245,26.173 166.236,26.164 166.071,26.164 v1(166.009,26.103)
ATT_8: IC2.15 IC5.11 R5.1 | length 42.6
  Top Layer, Top w0.127: R5.1@161.7,56.975 161.7,56.725 161.887,56.538 162.452,56.538 162.528,56.462 v1(162.615,56.462) ; v1@162.589,56.436 163.003,56.85 IC2.15@164.125,56.85 ; v1(166.472,25.758) 168.427,25.758 IC5.11@168.46,25.725
  Bottom Layer, Bottom w0.127: v1(162.615,56.462) 162.668,56.515 162.896,56.515 163.552,57.17 167.201,57.17 168.27,56.101 168.27,27.322 166.756,25.808 166.522,25.808 v1(166.472,25.758)